# KiCad board ae89fa26-SparkFun_Thing_Plus_ESP32-S3_panelized.kicad_pcb (continued)
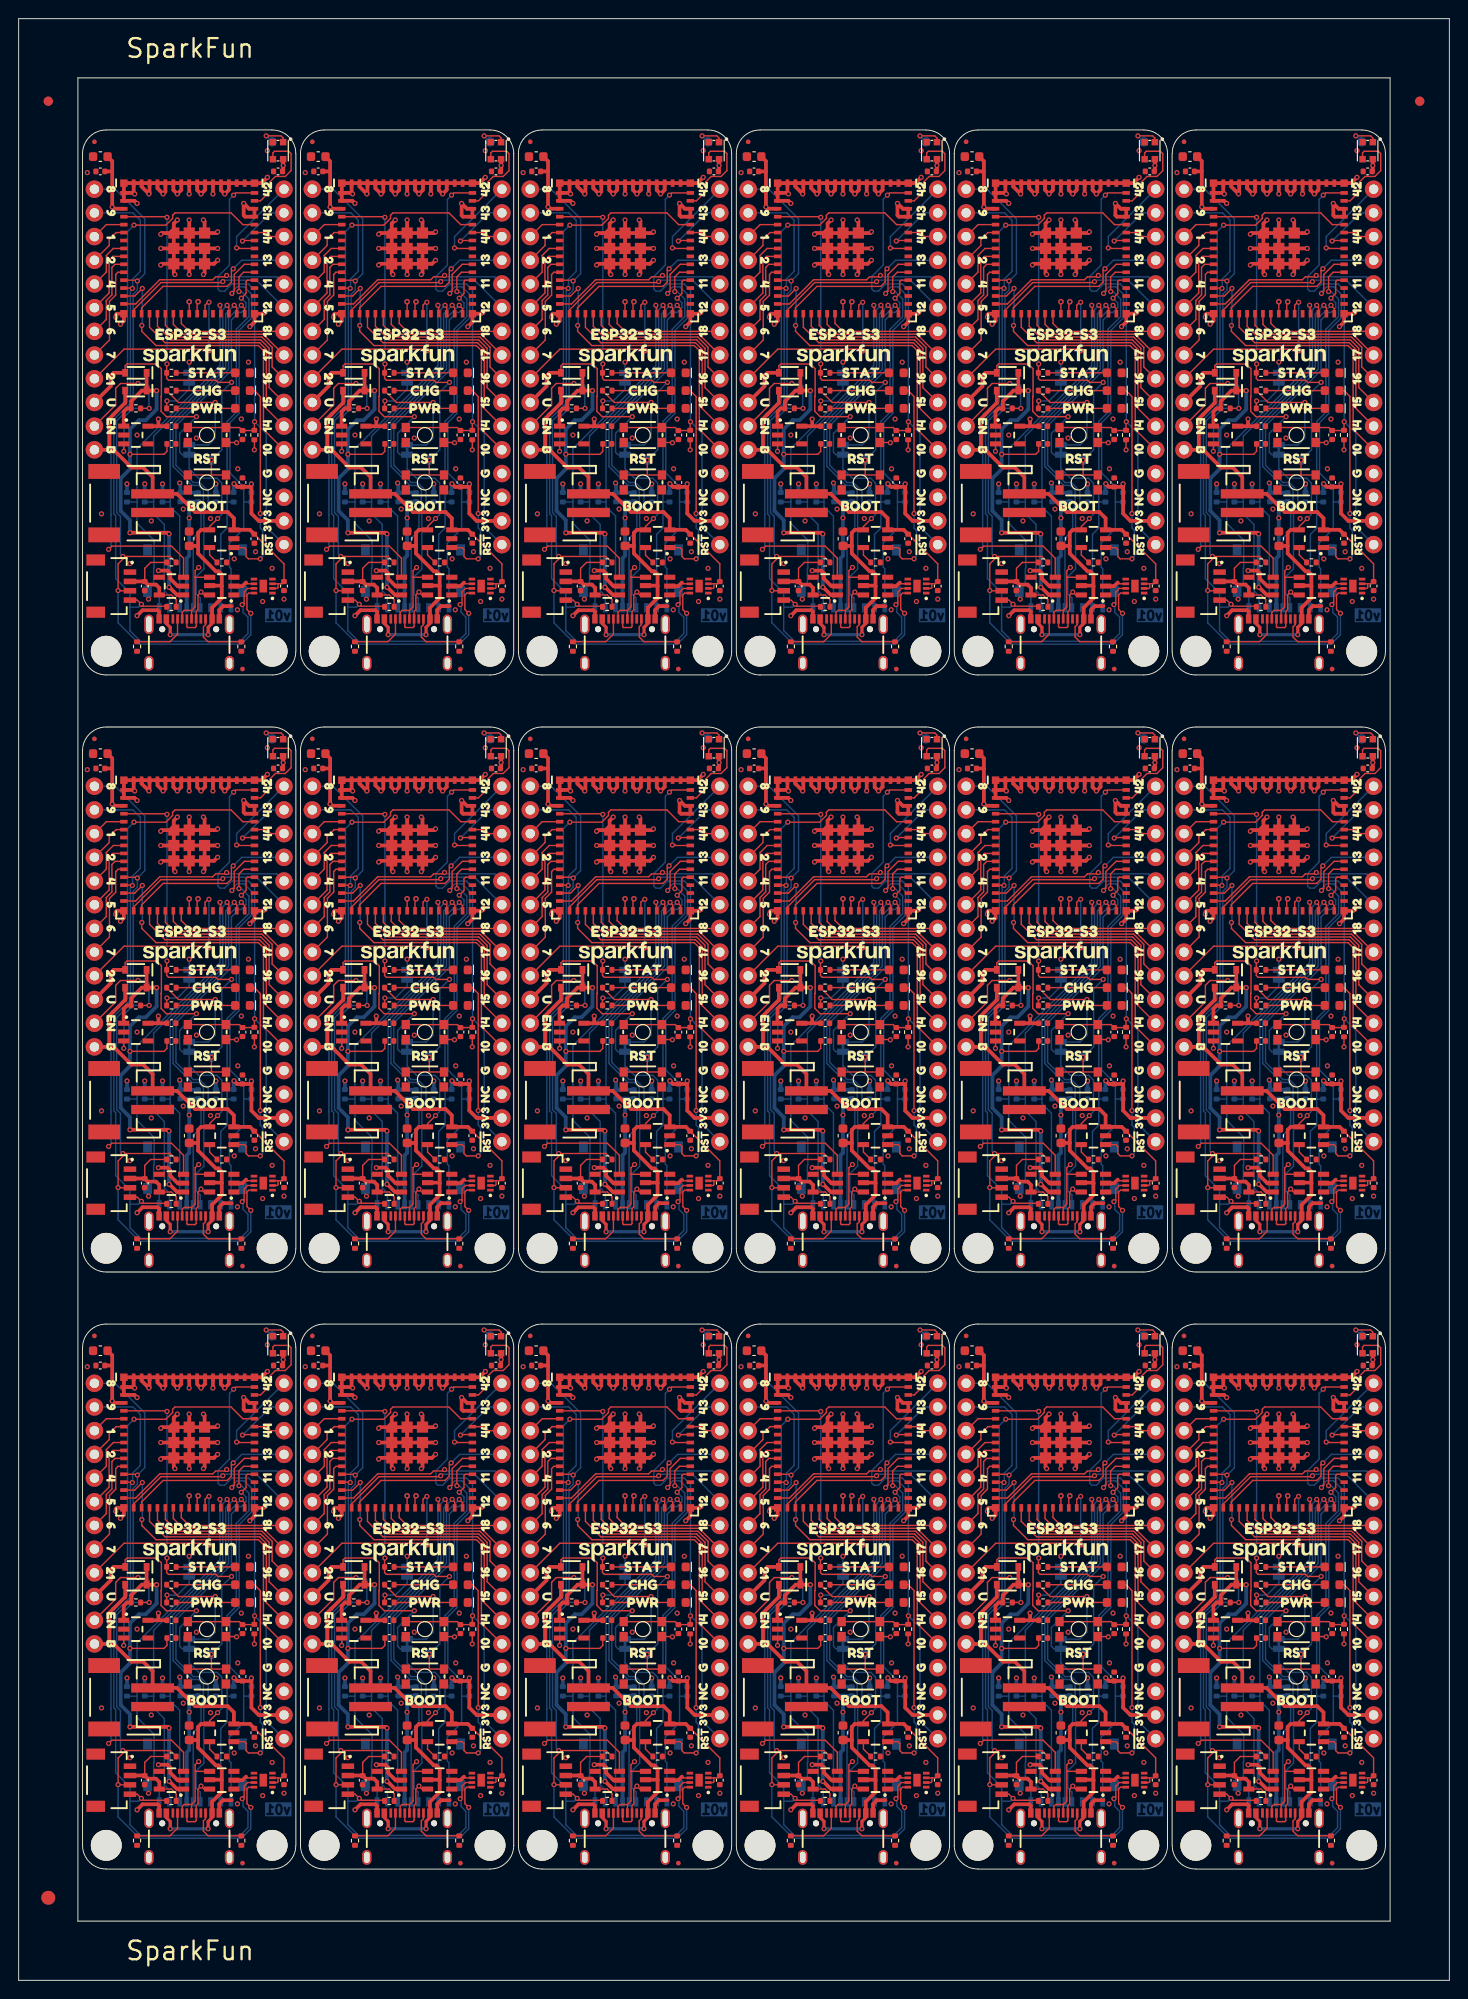
[diagram p0: board, top side]
## Routing (per net, layer and track width the routed paths; a pad name or vN(x,y) marks a point on that pad's centre or on a via; arc(x,y) is an arc through that point) (continued)
Net-(U5-PROG): length 34.5
  Top w0.152: U5#14.5 67.19,152.79 R16#11.1 ; U5#6.5 90.55,24.79 R16#13.1 ; R16#14.1 20.47,88.79 U5#3.5 ; R16#4.1 67.19,24.79 U5#7.5 ; U5#13.5 43.83,152.79 R16#8.1 ; U5#15.5 90.55,152.79 R16#7.1 ; U5#4.5 43.83,24.79 R16#12.1 ; R16#6.1 43.83,88.79 U5#8.5 ; U5#12.5 137.27,24.79 R16#3.1 ; U5#18.5 90.55,88.79 R16.1 ; U5#10.5 137.27,88.79 R16#17.1 ; U5#5.5 113.91,24.79 R16#9.1 ; R16#5.1 67.19,88.79 U5#11.5 ; U5#16.5 113.91,152.79 R16#2.1 ; U5#9.5 113.91,88.79 R16#10.1 ; U5#2.5 20.47,152.79 R16#15.1 ; U5#17.5 137.27,152.79 R16#16.1 ; U5.5 20.47,24.79 R16#18.1

## Copper pours and planes (outline as drawn; the poured copper is in the pictures)
+3.3V on In2.Cu -3V3: 123.15,11.93 123.15,70.35 100.29,70.35 100.29,11.93
+3.3V on In2.Cu -3V3: 99.79,11.93 99.79,70.35 76.93,70.35 76.93,11.93
+3.3V on In2.Cu -3V3: 76.43,11.93 76.43,70.35 53.57,70.35 53.57,11.93
+3.3V on In2.Cu -3V3: 123.15,139.93 123.15,198.35 100.29,198.35 100.29,139.93
+3.3V on In2.Cu -3V3: 53.07,11.93 53.07,70.35 30.21,70.35 30.21,11.93
+3.3V on In2.Cu -3V3: 76.43,75.93 76.43,134.35 53.57,134.35 53.57,75.93
+3.3V on In2.Cu -3V3: 29.71,11.93 29.71,70.35 6.85,70.35 6.85,11.93
+3.3V on In2.Cu -3V3: 53.07,139.93 53.07,198.35 30.21,198.35 30.21,139.93
+3.3V on In2.Cu -3V3: 146.51,11.93 146.51,70.35 123.65,70.35 123.65,11.93
+3.3V on In2.Cu -3V3: 99.79,75.93 99.79,134.35 76.93,134.35 76.93,75.93
+3.3V on In2.Cu -3V3: 53.07,75.93 53.07,134.35 30.21,134.35 30.21,75.93
+3.3V on In2.Cu -3V3: 146.51,75.93 146.51,134.35 123.65,134.35 123.65,75.93
+3.3V on In2.Cu -3V3: 146.51,139.93 146.51,198.35 123.65,198.35 123.65,139.93
+3.3V on In2.Cu -3V3: 99.79,139.93 99.79,198.35 76.93,198.35 76.93,139.93
+3.3V on In2.Cu -3V3: 123.15,75.93 123.15,134.35 100.29,134.35 100.29,75.93
+3.3V on In2.Cu -3V3: 29.71,139.93 29.71,198.35 6.85,198.35 6.85,139.93
+3.3V on In2.Cu -3V3: 76.43,139.93 76.43,198.35 53.57,198.35 53.57,139.93
+3.3V on In2.Cu -3V3: 29.71,75.93 29.71,134.35 6.85,134.35 6.85,75.93
GND on Top, Bottom, In1.Cu - GND: 123.65,11.93 123.65,70.35 146.51,70.35 146.51,11.93
GND on Top, Bottom, In1.Cu - GND: 76.93,11.93 76.93,70.35 99.79,70.35 99.79,11.93
GND on Top, Bottom, In1.Cu - GND: 30.21,11.93 30.21,70.35 53.07,70.35 53.07,11.93
GND on Top, Bottom, In1.Cu - GND: 53.57,139.93 53.57,198.35 76.43,198.35 76.43,139.93
GND on Top, Bottom, In1.Cu - GND: 100.29,75.93 100.29,134.35 123.15,134.35 123.15,75.93
GND on Top, Bottom, In1.Cu - GND: 76.93,139.93 76.93,198.35 99.79,198.35 99.79,139.93
GND on Top, Bottom, In1.Cu - GND: 123.65,139.93 123.65,198.35 146.51,198.35 146.51,139.93
GND on Top, Bottom, In1.Cu - GND: 53.57,11.93 53.57,70.35 76.43,70.35 76.43,11.93
GND on Top, Bottom, In1.Cu - GND: 30.21,139.93 30.21,198.35 53.07,198.35 53.07,139.93
GND on Top, Bottom, In1.Cu - GND: 6.85,11.93 6.85,70.35 29.71,70.35 29.71,11.93
GND on Top, Bottom, In1.Cu - GND: 100.29,11.93 100.29,70.35 123.15,70.35 123.15,11.93
GND on Top, Bottom, In1.Cu - GND: 100.29,139.93 100.29,198.35 123.15,198.35 123.15,139.93
GND on Top, Bottom, In1.Cu - GND: 123.65,75.93 123.65,134.35 146.51,134.35 146.51,75.93
GND on Top, Bottom, In1.Cu - GND: 53.57,75.93 53.57,134.35 76.43,134.35 76.43,75.93
GND on Top, Bottom, In1.Cu - GND: 6.85,75.93 6.85,134.35 29.71,134.35 29.71,75.93
GND on Top, Bottom, In1.Cu - GND: 6.85,139.93 6.85,198.35 29.71,198.35 29.71,139.93
GND on Top, Bottom, In1.Cu - GND: 76.93,75.93 76.93,134.35 99.79,134.35 99.79,75.93
GND on Top, Bottom, In1.Cu - GND: 30.21,75.93 30.21,134.35 53.07,134.35 53.07,75.93

## Text on the board
Bottom: v01
User.Comments: ROUTE OUT | V-SCORE
F.Silkscreen: SparkFun
User.1: N. Seidle | Controlled Impedance: JLC7628 | Solder Mask: Red | Layers: 4 | Finish: ENIG | Thickness: 1.6mm | No Clean Process | Material: TG155 | Copper weight: 1oz
